# Altium PCB Beagle93.PCBDOC (part 1 of 7) (continued)
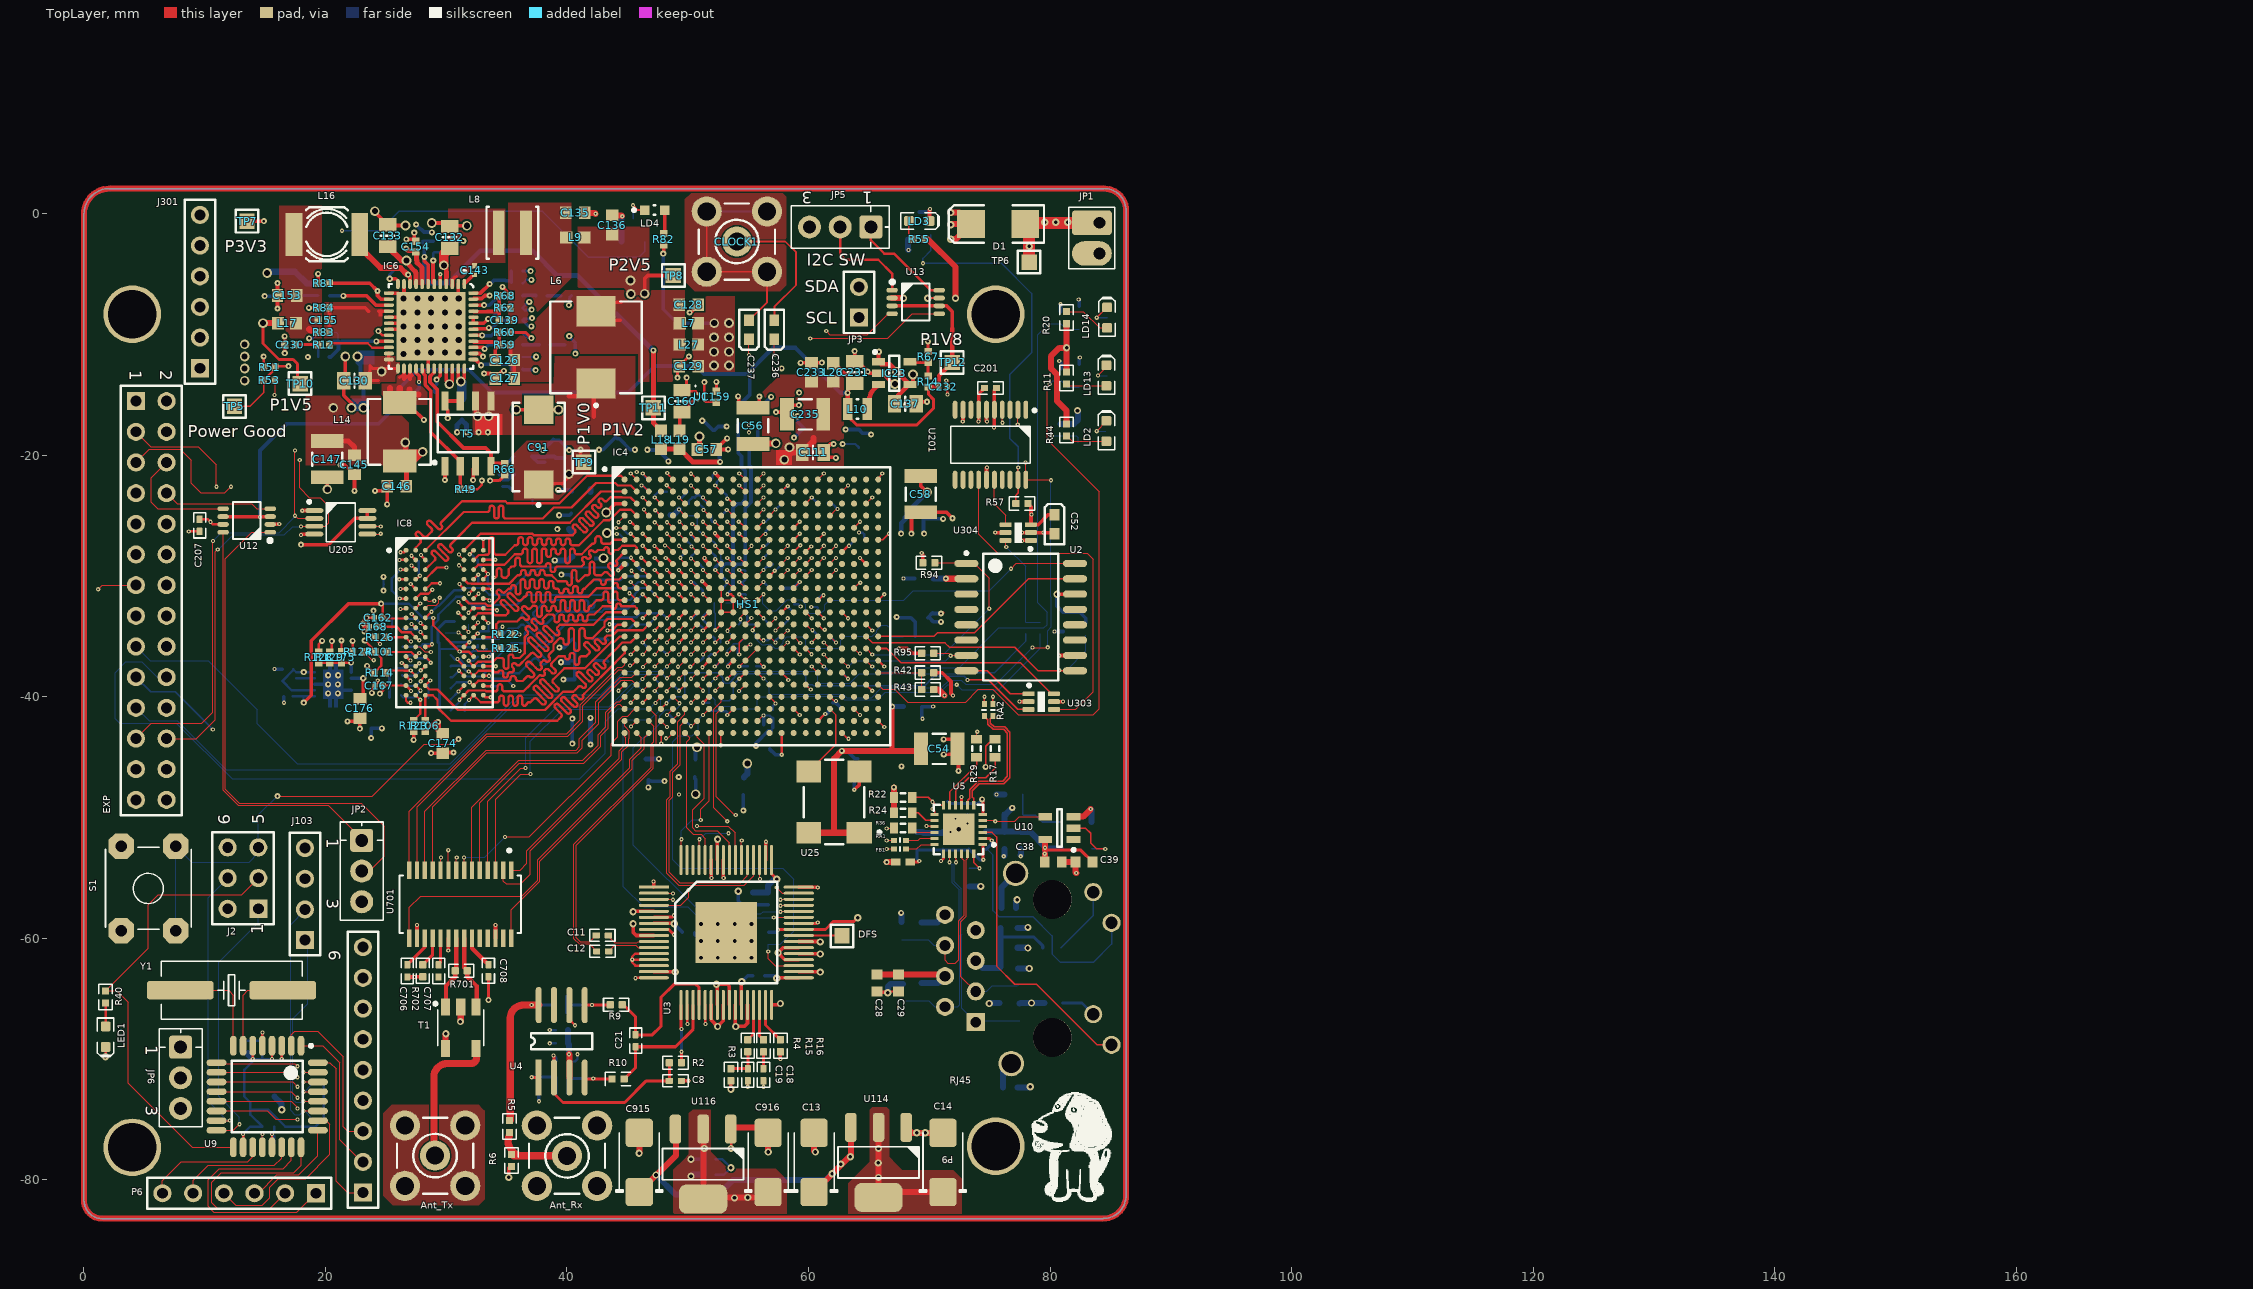
[diagram p0: TopLayer view]
## Classes and differential pairs (continued)
net class DDR_AddressAndControls: DDR3_A0 DDR3_A1 DDR3_A2 DDR3_A3 DDR3_A4 DDR3_A5 DDR3_A6 DDR3_A7 DDR3_A8 DDR3_A9 DDR3_A10 DDR3_A11 DDR3_A12 DDR3_A13 DDR3_A14 DDR3_BA0 DDR3_BA1 DDR3_BA2 DDR3_CAS_N DDR3_CK_N DDR3_CK_P DDR3_CKE DDR3_ODT DDR3_RAS_N DDR3_WE_N
net class DDR_BL0: DDR3_DQ0 DDR3_DQ1 DDR3_DQ2 DDR3_DQ3 DDR3_DQ4 DDR3_DQ5 DDR3_DQ6 DDR3_DQ7 DDR3_DQ8 DDR3_DQ9 DDR3_DQ10 DDR3_DQ11 DDR3_DQ12 DDR3_DQ13 DDR3_DQ14 DDR3_DQ15 DDR3_LDM DDR3_LDQS_N DDR3_LDQS_P DDR3_UDM DDR3_UDQS_N DDR3_UDQS_P
differential pair class Diff_100Ohm: CK_FPGAIO CK_GTP CK_GTP_125 CKC_GTP_125 CKI_FPGAIO CKI_GTP CKIN0 CKIN2 CKOUT_1 CKOUT_D_1 CKOUT_D_2 CLK_EEM_EXT CLK_EEM_EXT_C CLK_EEM_INT CLK_EXT CLK_SMA_IN CLKREC DDR3_CK DDR3_LDQS DDR3_UDQS EEM_CLK_OUT7 EXT0.LVDS_0 EXT0.LVDS_1 EXT0.LVDS_2 EXT0.LVDS_3 EXT0.LVDS_4 EXT0.LVDS_5 EXT0.LVDS_6 EXT0.LVDS_7 EXT1.LVDS_0 EXT1.LVDS_7 EXT2.LVDS_0 EXT2.LVDS_2 EXT2.LVDS_3 EXT2.LVDS_4 EXT2.LVDS_5 EXT2.LVDS_6 EXT2.LVDS_7 EXT3.LVDS_0 EXT3.LVDS_2 EXT3.LVDS_3 EXT3.LVDS_4 EXT3.LVDS_5 EXT3.LVDS_6 EXT3.LVDS_7 EXT4.LVDS_0 EXT4.LVDS_2 EXT4.LVDS_3 EXT4.LVDS_4 EXT4.LVDS_5 EXT4.LVDS_6 EXT4.LVDS_7 EXT5.LVDS_0 EXT5.LVDS_2 EXT5.LVDS_3 EXT5.LVDS_4 EXT5.LVDS_5 EXT5.LVDS_6 EXT5.LVDS_7 EXT6.LVDS_0 EXT6.LVDS_2 EXT6.LVDS_3 EXT6.LVDS_4 EXT6.LVDS_5 EXT6.LVDS_6 EXT6.LVDS_7 EXT7.LVDS_0 EXT7.LVDS_2 EXT7.LVDS_3 EXT7.LVDS_4 EXT7.LVDS_5 EXT7.LVDS_6 EXT7.LVDS_7 EXT8.LVDS_0 EXT8.LVDS_2 EXT8.LVDS_3 EXT8.LVDS_4 EXT8.LVDS_5 EXT8.LVDS_6 EXT8.LVDS_7 EXT9.LVDS_0 EXT9.LVDS_2 EXT9.LVDS_3 EXT9.LVDS_4 EXT9.LVDS_5 EXT9.LVDS_6 EXT9.LVDS_7 EXT10.LVDS_0 EXT10.LVDS_2 EXT10.LVDS_3 EXT10.LVDS_4 EXT10.LVDS_5 EXT10.LVDS_6 EXT10.LVDS_7 EXT11.LVDS_0 EXT11.LVDS_1 EXT11.LVDS_2 EXT11.LVDS_3 EXT11.LVDS_4 EXT11.LVDS_5 EXT11.LVDS_6 EXT11.LVDS_7 MGT_RX3 MGT_TX3 SFP_RX_TX_0.RD SFP_RX_TX_0.TD SFP_RX_TX_1.RD SFP_RX_TX_1.TD SFP_RX_TX_2.RD SFP_RX_TX_2.TD
net class Diff_100Ohm: CKC_GTP_125_N CKC_GTP_125_P
differential pair ADCCLK: +ADCCLK_P -ADCCLK_N
differential pair ADC_CLK: +ADC_CLK_P -ADC_CLK_N
differential pair TX: +TX_P -TX_N
differential pair RX: +RX_P -RX_N
differential pair RA2: +RA2_P -RA2_N
differential pair RA1: +RA1_P -RA1_N
differential pair ENET_TXD: +ENET_TXD_P -ENET_TXD_N
differential pair ENET_RXD: +ENET_RXD_P -ENET_RXD_N
differential pair FPGA_PCLK: +FPGA_PCLK_P -FPGA_PCLK_P
differential pair FPGA_NPCLK: +FPGA_NPCLK_N -FPGA_NPCLK_N
differential pair DDR3_UDQS: +DDR3_UDQS_P -DDR3_UDQS_N
differential pair DDR3_LDQS: +DDR3_LDQS_P -DDR3_LDQS_N
differential pair DDR3_CK: +DDR3_CK_P -DDR3_CK_N
differential pair CKC_GTP_125: +CKC_GTP_125_P -CKC_GTP_125_N

## Components (designator, comment, footprint, x,y, rotation, side; value= is the part's Value field where it differs from the comment)
Ant_Rx "SMB" SMB_V-RJ45 40,-78 r0 top
Ant_Tx "SMB" SMB_V-RJ45 29.072,-77.985 r270 top
C1 "0.1uF" CAPC1005X55N#1 56.655,-56.704 r90 bottom
C2 "0.1uF" CAPC1005X55N#1 55.385,-56.704 r90 bottom
C3 "0.1uF" CAPC1005X55N#1 51.772,-79.585 r180 bottom
C4 "0.1uF" CAPC1005X55N#1 51.821,-78.294 r180 bottom
C5 "0.1uF" CAPC1005X55N#1 50.051,-59.498 r180 bottom
C6 "0.1uF" CAPC1005X55N#1 55.872,-63.085 r0 bottom
C7 "0.1uF" CAPC1005X55N#2 39.572,-68.685 r0 bottom
C8 "0.1uF" CAPC1005X55N#2 48.972,-71.785 r180 top
C9 "Cap Semi" 1608[0603] 73.272,-51.885 r270 bottom
C10 "Cap Semi" 1608[0603] 71.133,-51.878 r270 bottom
C11 "0.01uF" CAPC1005X55N#1 42.926,-59.741 r180 top
C12 "0.01uF" CAPC1005X55N#2 42.951,-61.062 r0 top
C13 "approved sub OK" CAPMP6032X280N 60.465,-78.548 r90 top
C14 "approved sub OK" CAPMP6032X280N 71.133,-78.548 r90 top
C15 "2pF" CAPC1005X55N#2 39.472,-66.185 r180 bottom
C16 "2pF" CAPC1005X55N#2 39.572,-72.885 r180 bottom
C17 "1uF" CAPC1005X55N#2 39.572,-67.585 r0 bottom
C18 "1uF" CAPC1005X55N#2 56.272,-71.285 r90 top
C19 "1uF" CAPC1005X55N#2 54.972,-71.285 r90 top
C20 "1uF" CAPC1005X55N#2 39.572,-70.185 r180 bottom
C21 "56pF" CAPC1005X55N#2 45.682,-68.464 r270 top
C22 "Cap Pol3" CAPC1005X55N#2 73.165,-49.338 r270 bottom
C23 "Cap Semi" 1608[0603] 77.61,-51.878 r90 bottom
C24 "Cap Semi" 1608[0603] 77.483,-66.102 r270 bottom
C25 "Cap Semi" 1608[0603] 67.831,-64.451 r270 bottom
C26 "Cap Semi" 1608[0603] 77.356,-63.181 r270 bottom
C27 "Cap Semi" 1608[0603] 69.355,-59.371 r270 bottom
C28 "Cap Semi" 1608[0603] 65.672,-63.689 r90 top
C29 "Cap Semi" 1608[0603] 67.45,-63.689 r90 top
C30 "Cap Semi" 1608[0603] 76.594,-60.768 r180 bottom
C31 "Cap Semi" 1608[0603] 76.594,-59.117 r180 bottom
C32 "0.1µ" CAPC1005X55N#2 14.772,-68.985 r90 bottom
C33 "0.1µ" CAPC1005X55N#2 13.572,-68.985 r90 bottom
C34 "CAPT_4u7_3216_16V" CAPMP3216X180N 14.372,-73.085 r0 bottom locked
C35 "Cap Semi" 1608[0603] 71.514,-49.338 r90 bottom
C36 "Cap Pol3" 1608[0603] 68.972,-51.885 r90 bottom
C37 "Cap Semi" 1608[0603] 76.213,-51.878 r90 bottom
C38 "Cap Semi" 1608[0603] 80.277,-53.656 r180 top
C39 "Cap Semi" 1608[0603] 82.817,-53.656 r0 top
C49 "0.1µ" CAPC1005X55N#1 15.272,-75.585 r0 bottom
C50 "22uF" CAPC1709X100N 55.025,-18.925 r180 bottom
C51 "100nF" CAPC0603X33N 53.3,-30.975 r180 bottom
C52 "100nF" "0603 Polar Cap" 80.372,-25.685 r90 top
C53 "0.1µ" CAPC1005X55N#1 15.272,-76.985 r0 bottom
C54 "47uF" CAPC3225X270N 70.825,-44.3 r180 top
C55 "470nF" CAPC0603X33N 57.275,-31 r180 bottom
C56 "100uF" CAPC3225X270N 55.4,-17.55 r270 top
C57 "22uF" CAPC1709X100N 51.575,-19.5 r180 top
C58 "100uF" CAPC3225X270N 69.3,-23.2 r90 top
C59 "4.7uF" CAPC2012X135N 54.65,-47.55 r90 bottom
C60 "22uF" CAPC1709X100N 41.15,-24.8 r0 bottom
C61 "470nF" CAPC0603X33N 57.8,-23.5 r90 bottom
C62 "470nF" CAPC0603X33N 51.772,-40.785 r270 bottom
C63 "470nF" CAPC0603X33N 57.025,-41.425 r90 bottom
C64 "470nF" CAPC0603X33N 44.7,-26.525 r90 bottom
C65 "470nF" CAPC0603X33N 55.325,-37.45 r0 bottom
C66 "4.7uF" CAPC2012X135N 63.85,-45.875 r90 bottom
C67 "4.7uF" CAPC2012X135N 69.25,-33.425 r180 bottom
C68 "470nF" CAPC0603X33N 61.225,-23.95 r0 bottom
C69 "470nF" CAPC0603X33N 57.375,-29.025 r0 bottom
C70 "470nF" CAPC0603X33N 60.75,-32.25 r90 bottom
C71 "4.7uF" CAPC2012X135N 64.15,-18.55 r270 bottom
C72 "4.7uF" CAPC2012X135N 46.65,-45.8 r90 bottom
C73 "470nF" CAPC0603X33N 56.775,-25.525 r270 bottom
C74 "470nF" CAPC0603X33N 49.325,-41.975 r0 bottom
C75 "470nF" CAPC0603X33N 62.275,-37.975 r0 bottom
C76 "4.7uF" CAPC2012X135N 68.628,-40.798 r180 bottom
C77 "4.7uF" CAPC2012X135N 68.775,-25.25 r180 bottom
C78 "470nF" CAPC0603X33N 61.275,-34.95 r0 bottom
C79 "470nF" CAPC0603X33N 58.825,-32.675 r270 bottom
C80 "470nF" CAPC0603X33N 62.278,-40.976 r180 bottom
C81 "4.7uF" CAPC2012X135N 41.196,-23.018 r0 bottom
C82 "4.7uF" CAPC2012X135N 41.196,-28.352 r0 bottom
C83 "470nF" CAPC0603X33N 50.275,-28.025 r180 bottom
C84 "470nF" CAPC0603X33N 44.15,-34.275 r270 bottom
C85 "470nF" CAPC0603X33N 45.35,-29.025 r0 bottom
C86 "4.7uF" CAPC2012X135N 41.196,-42.83 r0 bottom
C87 "4.7uF" CAPC2012X135N 56.9,-43.7 r270 bottom
C88 "470nF" CAPC0603X33N 47.275,-35.975 r0 bottom
C89 "470nF" CAPC0603X33N 64.26,-27.01 r180 bottom
C90 "470nF" CAPC0603X33N 48.275,-38.975 r0 bottom
C91 "330uF" CAPMP7343X190N 37.65,-19.3 r90 top
C92 "4.7uF" CAPC2012X135N 41.196,-36.988 r0 bottom
C93 "4.7uF" CAPC2012X135N 41.4,-30.3 r0 bottom
C94 "4.7uF" CAPC2012X135N 41.4,-38.8 r0 bottom
C95 "470nF" CAPC0603X33N 51.325,-29 r0 bottom
C96 "4.7uF" CAPC2012X135N 50.272,-46.085 r90 bottom
C97 "470nF" CAPC0603X33N 51.3,-24 r0 bottom
C98 "470nF" CAPC0603X33N 54.404,-35.972 r0 bottom
C99 "470nF" CAPC0603X33N 54.575,-34 r0 bottom
C100 "470nF" CAPC0603X33N 52.3,-26.975 r0 bottom
C101 "22uF" CAPC1709X100N 52.2,-18.725 r270 bottom
C102 "470nF" CAPC0603X33N 51.325,-30.975 r0 bottom
C103 "470nF" CAPC0603X33N 52.35,-35.007 r0 bottom
C104 "470nF" CAPC0603X33N 52.301,-27.996 r0 bottom
C105 "470nF" CAPC0603X33N 51.25,-32.982 r0 bottom
C106 "470nF" CAPC0603X33N 51.3,-34 r0 bottom
C107 "470nF" CAPC0603X33N 53.275,-37 r0 bottom
C108 "470nF" CAPC0603X33N 51.4,-37 r0 bottom
C109 "4.7uF" CAPC2012X135N 44.066,-19.614 r270 bottom
C110 "4.7uF" CAPC2012X135N 41.196,-35.21 r0 bottom
C111 "4.7uF" CAPC2012X135N 60.375,-19.75 r180 top
C112 "100nF" CAPC0603X33N 52.275,-21.975 r0 bottom
C113 "100nF" CAPC0603X33N 47.275,-21.9 r0 bottom
C114 "100nF" CAPC0603X33N 53.275,-23 r0 bottom
C115 "100nF" CAPC0603X33N 47.225,-23 r0 bottom
C116 "100nF" CAPC0603X33N 50.34,-23.018 r0 bottom
C117 "470nF" CAPC0603X33N 56.75,-27.55 r270 bottom
C118 "470nF" CAPC0603X33N 57.272,-34.985 r180 bottom
C119 "470nF" CAPC0603X33N 57.272,-33.985 r180 bottom
C120 "100nF" CAPC0603X33N 54.3,-32.05 r0 bottom
C121 "470nF" CAPC0603X33N 54.775,-29.825 r90 bottom
C122 "100nF" CAPC0603X33N 54.8,-31.2 r270 bottom
C123 "100nF" CAPC0603X33N 50.3,-27 r0 bottom
C124 "100nF" CAPC0603X33N 52.3,-25 r0 bottom
C125 "100nF" CAPC0603X33N 48.222,-24.935 r0 bottom
C126 "56pF" CAPC1608X87N 34.846,-12.096 r0 top
C127 "22uF" CAPC1709X100N 34.846,-13.62 r0 top
C128 "22uF" CAPC1709X100N 50.086,-7.524 r180 top
C129 "22uF" CAPC1709X100N 50.086,-12.604 r0 top
C130 "10uF" CAPC2012X95N 22.4,-13.8 r0 top
C131 "10uF" CAPC2012X95N 31.29,-16.16 r90 bottom
C132 "10uF" CAPC2012X95N 30.274,-1.936 r270 top
C133 "10uF" CAPC2012X95N 25.15,-1.8 r270 top
C134 "100nF" CAPC0603X33N 29.05,-15.125 r90 bottom
C135 "22uF" CAPC1709X100N 40.688,0.096 r180 top
C136 "22uF" CAPC1709X100N 43.736,-0.92 r270 top
C137 "10uF" CAPC2012X95N 68.016,-15.725 r180 top
C138 "1nF" CAPC1005X55N#3 40.238,-10.826 r180 bottom
C139 "68pF" CAPC1005X55N#3 34.846,-8.794 r0 top
C140 "100nF" CAPC0603X33N 27.48,-15.144 r90 bottom
C141 "22uF" CAPC1709X100N 39.075,-19.4 r270 bottom
C142 "1nF" CAPC1005X55N#3 39.926,-6.762 r180 bottom
C143 "100nF" CAPC0603X33N 32.35,-4.65 r270 top
C145 "22uF" CAPC1709X100N 22.4,-20.775 r90 top
C146 "22uF" CAPC1709X100N 25.9,-22.55 r0 top
C147 "47uF" CAPC3225X270N 20.15,-20.3 r90 top
C148 "22uF" CAPC1709X100N 48.325,-19.55 r0 bottom
C149 "22uF" CAPC1709X100N 58.8,-17.725 r180 bottom
C150 "150pF" CAPC1005X55N#3 19.86,-10.826 r180 bottom
C151 "100nF" CAPC0603X33N 25.875,-4.675 r180 bottom
C152 "1.2nF" CAPC1608X87N 16.812,-6.762 r0 bottom
C153 "22uF" CAPC1709X100N 16.825,-6.75 r0 top
C154 "1uF" CAPC1005X55N#3 27.48,-2.698 r270 top
C155 "68pF" CAPC1005X55N#3 19.86,-8.794 r180 top
C156 "1uF" CAPC1005X55N#3 35.862,-7.778 r180 bottom
C157 "1uF" CAPC1005X55N#3 35.862,-8.794 r180 bottom
C158 "1uF" CAPC1005X55N#3 28,-1.85 r270 bottom
C159 "1uF" CAPC1005X55N#3 52.372,-15.144 r270 top
C160 "4.7uF" CAPC2012X135N 49.525,-15.499 r270 top
C161 "100nF" "0603 Polar Cap" 69.572,-30.185 r0 bottom
C162 "100nF" CAPC0603X33N 24.375,-33.425 r0 top
C163 "100nF" CAPC0603X33N 33.7,-36.025 r180 bottom
C164 "100nF" CAPC0603X33N 28.089,-28.771 r180 bottom
C165 "100nF" CAPC0603X33N 32.975,-30.475 r0 bottom
C166 "100nF" CAPC0603X33N 32.875,-28.6 r180 bottom
C167 "100nF" CAPC0603X33N 24.45,-39.05 r0 top
C168 "100nF" CAPC0603X33N 23.975,-34.175 r0 top
C169 "100nF" CAPC0603X33N 25.15,-30.65 r0 bottom
C170 "100nF" CAPC0603X33N 33.875,-34.55 r180 bottom
C171 "100nF" CAPC0603X33N 34.3,-38.825 r270 bottom
C172 "1uF" CAPC1005X55N#3 16.875,-37.7 r0 bottom
C173 "22uF" CAPC1709X100N 23.775,-41.8 r90 bottom
C174 "22uF" CAPC1709X100N 29.7,-43.85 r90 top
C175 "10nF" CAPC1005X55N#3 21.325,-36.7 r270 top
C176 "22uF" CAPC1709X100N 22.85,-40.95 r90 top
C177 "100nF" CAPC0603X33N 16.9,-40 r0 bottom
C201 "0.1µ" CAPC1005X55N#1 75.07,-14.413 r180 top
C207 "0.1µ" CAPC1005X55N#1 9.572,-25.785 r90 top
C229 "100nF" "0603 Polar Cap" 81.072,-33.785 r90 bottom
C230 "2.2nF" CAPC1005X55N#3 17.066,-10.826 r0 top
C231 "10uF" CAPC2012X95N 63.827,-13.112 r270 top
C232 "100nF" CAPC0603X33N 71.15,-14.3 r180 top
C233 "22uF" CAPC1709X100N 60.246,-13.112 r270 top
C235 "47uF" CAPC3225X270N 59.725,-16.6 r0 top
C236 "100nF" "0603 Polar Cap" 57.172,-9.585 r270 top
C237 "100nF" "0603 Polar Cap" 55.072,-9.585 r270 top
C240 "22uF" CAPC1709X100N 41.15,-26.3 r0 bottom
C706 "0.1uF" CAPC1005X55N#1 26.772,-62.685 r90 top
C707 "0.1uF" CAPC1005X55N#1 29.372,-62.685 r90 top
C708 "0.1uF" CAPC1005X55N#1 33.495,-62.67 r90 top
C915 "approved sub OK" CAPMP6032X280N 45.987,-78.548 r90 top
C916 "approved sub OK" CAPMP6032X280N 56.655,-78.548 r90 top
CLOCK1 "SMB" SMB_V-RJ45 54.072,-2.285 r0 top
D1 "SMBJ12A" SMB 75.705,-0.824 r180 top
DFS "P2V5" TPS127 62.772,-59.785 r90 top (schematic designator TP20)
EXP "Header 14X2" HDR2X14 4.3,-15.5 r270 top locked
FB1 "BLM18PG121SN1D" BLM18PG121SN1D 67.831,-53.656 r0 top
FB8 "BLM15HG601SN1D" BLM18PG121SN1D 76.721,-72.325 r180 bottom
FB9 "BLM15HG601SN1D" BLM18PG121SN1D 76.594,-57.466 r180 bottom
FR1 "Ferrite" C0603 51.829,-81.215 r180 bottom
HS1 "Heat Sink No Pad" "ICK BGA 23 x 23 x 10" 55,-32.3 r90 top
IC4 "XC7A50T-2FGG484C" FGG484 55.272,-32.485 r0 top locked
IC6 "ADP5052ACPZ" QFN50P700X700X80-49N-S570 28.75,-9.302 r270 top
IC8 "MT41K256M16TW-107:P" BGA96C80P9X16_800X1400X120 29.867,-33.851 r0 top locked
IC9 "TPS51200DRCT" "TEXAS_DRC (S-PVSON-N10)" 20.625,-38.95 r180 bottom
IC23 "TLV62565DBVT" SOT95P280X145-5N 67.098,-13.182 r0 top
J2 "Header 3X2" HDR2X3 14.44,-57.54 r90 top locked
J103 "C D V G" HDR1X4 18.301,-60.133 r90 top
J301 "V G C O I S" HDR1X6 9.6,-12.78 r90 top
JP1 "Header" HDR_1x2_Offset 84.1,-2 r0 top
JP2 "R T G" 1x3POS_HEADER 23,-54.418 r0 top
JP3 "" HDR1X2 64.172,-8.585 r90 top
JP5 "R T G" 1x3POS_HEADER 62.624,-1.078 r270 top
JP6 "R T G" 1x3POS_HEADER 8,-71.54 r0 top
L4 "120R@100MHz" INDC1608X65N 54.125,-16.75 r270 bottom
L5 "120R@100MHz" INDC1608X65N 55.925,-16.75 r270 bottom
L6 "DR74-4R7-R" COBU-DR74-4R7-R_V 42.4,-11.05 r90 top
L7 "120R@100MHz" INDC1608X65N 50.086,-9.048 r0 top
L8 "6.8uH" IND_COILCRAFT_XAL4030 35.481,-1.555 r0 top
L9 "120R@100MHz" INDC1608X65N 40.688,-1.936 r0 top
L10 "2.2uH" IND_WURTH_WE-PMCI_0806LR 64.056,-16.16 r180 top
L11 "120R@100MHz" INDC1608X65N 36.35,-21.55 r0 bottom
L12 "120R@100MHz" INDC1608X65N 36.35,-20.075 r0 bottom
L13 "120R@100MHz" INDC1608X65N 55.15,-14.2 r0 bottom
L14 "3.3 uH" IHLP-2020BZ-11 26.15,-18.05 r270 top
L15 "120R@100MHz" INDC1608X65N 48.325,-18.05 r0 bottom
L16 "3.3uH" IND_WURTH_WE-PD3_S 20.114,-1.682 r180 top
L17 "120R@100MHz" INDC1608X65N 16.812,-9.048 r180 top
L18 "120R@100MHz" INDC1608X65N 47.8,-18.7 r270 top
L19 "120R@100MHz" INDC1608X65N 49.324,-18.7 r270 top
L26 "120R@100MHz" INDC1608X65N 62.049,-13.112 r270 top
L27 "120R@100MHz" INDC1608X65N 50.086,-10.826 r0 top
L28 "120R@100MHz" INDC1608X65N 36.35,-23.025 r0 bottom
LD2 "Color" LED-0603-GREEN 84.672,-17.985 r90 top
LD3 "Color" LED-0603-GREEN 69.172,-0.585 r0 top
LD4 "Color" LED_KINGBRIGHT_KPH-1608CGCK 47.257,0.319 r0 top
LD13 "Color" LED-0603-GREEN 84.672,-13.385 r90 top
LD14 "Color" LED-0603-GREEN 84.722,-8.585 r90 top
LED1 "Red" LED-0603-RED 1.791,-68.134 r270 top
P6 "" HDR1X6 19.2,-81.1 r180 top
P9 "D2       D10" HDR1X9 23.1,-81.04 r90 top locked
R1 "4.7K" RESC1005N#1 56.672,-59.985 r90 bottom
R2 "10" RESC1005N#2 48.972,-70.285 r180 top
R3 "2K" RESC1005N#2 53.572,-71.285 r90 top
R4 "1" RESC1005N#2 54.972,-68.885 r270 top
R5 "118" RESC1005N#2 35.23,-75.565 r270 top
R6 "65" RESC1005N#2 35.408,-78.384 r270 top
R7 "1.3K" RESC1005N#2 39.472,-64.785 r180 bottom
R8 "1.3K" RESC1005N#1 39.572,-71.485 r180 bottom
R9 "25" RESC1005N#1 44.072,-65.485 r180 top
R10 "25" RESC1005N#1 44.234,-71.639 r180 top
R11 "1k" RESC1005X40N#1 81.372,-13.585 r90 top
R12 "5k6" RESC1005X40N#2 19.86,-10.826 r0 top
R13 "147" RESC1005N#2 37.672,-72.385 r270 bottom
R14 "24k" RESC1005X40N#2 69.898,-13.874 r270 top
R15 "1" RESC1005N#1 56.272,-68.885 r270 top
R16 "56.2K" RESC1005N#1 57.672,-68.885 r270 top
R17 "Res3" J1-0603 75.451,-44.258 r90 top
R18 "Res3" J1-0603 75.832,-66.102 r90 bottom
R19 "2k2" RESC1005X40N#1 80.935,-13.323 r270 bottom
R20 "1k" RESC1005X40N#1 81.372,-8.585 r270 top
R21 "Res3" J1-0603 69.355,-64.451 r90 bottom
R22 "Res3" J1-0603 67.831,-48.322 r180 top
R23 "2k2" RESC1005X40N#1 80.872,-8.585 r270 bottom
R24 "Res3" J1-0603 67.831,-49.592 r0 top
R25 "Res3" J1-0603 75.832,-63.181 r90 bottom
R26 "Res3" J1-0603 74.689,-51.89 r270 bottom
R27 "Res3" J1-0603 73.322,-54.935 r90 bottom
R28 "Res3" J1-0603 67.704,-59.371 r90 bottom
R29 "Res3" J1-0603 73.927,-44.258 r90 top
R30 "Thick Film" RESC1005N#2 19.372,-73.485 r0 bottom
R31 "Thick Film" RESC1005N#2 19.372,-74.885 r0 bottom
R32 "Res3" J1-0603 80.277,-65.34 r0 bottom
R33 "Thick Film" RESC1005X40N#1 19.372,-72.085 r180 bottom
R34 "Res3" J1-0603 80.15,-60.768 r0 bottom
R35 "Res3" J1-0603 76.975,-49.719 r180 bottom
R36 "Res3" J1-0603 67.831,-50.862 r180 top
R37 "Res3" J1-0603 76.975,-48.068 r0 bottom
R40 "Thick Film" RESC1005X40N#1 1.791,-64.84 r270 top
R42 "1k" RESC1005X40N#1 69.872,-37.985 r0 top
R43 "1k" RESC1005X40N#1 69.872,-39.385 r180 top
R44 "1k" RESC1005X40N#1 81.372,-17.885 r90 top
R45 "2k2" RESC1005X40N#1 80.872,-17.885 r270 bottom
R46 "0" RESC1005X40N#2 52.772,-40.785 r90 bottom
R47 "0" RESC1005X40N#2 77.972,-34.285 r270 bottom
R48 "0" RESC1005X40N#2 79.172,-34.285 r270 bottom
R49 "22k" RESC1005X40N#2 31.6,-22.8 r0 top
R51 "10k" RESC1005X40N#2 15.364,-12.706 r180 top
R52 "1k" RESC1005X40N#2 68.374,-34.956 r180 bottom
R53 "0" RESC1005X40N#2 15.35,-13.775 r0 top
R54 "0" RESC1005X40N#2 54.325,-35.025 r0 bottom
R55 "1k" RESC1005X40N#2 69.172,-2.085 r0 top
R56 "0" RESC1005X40N#2 52.675,-32.2 r0 bottom
R57 "300" RESC1005X40N#1 77.672,-23.985 r0 top
R59 "7k5" RESC1005X40N#2 34.846,-10.826 r0 top
R60 "2k4" RESC1005X40N#2 34.846,-9.81 r180 top
R61 "4k7" RESC1005X40N#2 35.862,-11.842 r180 bottom
R62 "51k" RESC1005X40N#2 34.846,-7.778 r0 top
R63 "5k1" RESC1005X40N#2 38.148,-10.826 r180 bottom
R64 "910" RESC1005X40N#2 35.862,-10.826 r180 bottom
R65 "7k5" RESC1005X40N#2 35.95,-12.85 r180 bottom
R66 "22k" RESC1005X40N#2 34.85,-21.15 r270 top
R67 "12k" RESC1005X40N#2 69.898,-11.842 r270 top
R68 "24k" RESC1005X40N#2 34.846,-6.762 r180 top
R69 "240" RESC1005X40N#2 35.85,-5.625 r0 bottom
R70 "5k1" RESC1005X40N#2 37.9,-6.625 r180 bottom
R71 "910" RESC1005X40N#2 35.85,-6.6 r180 bottom
R72 "10k" RESC1005X40N#2 35.862,-4.73 r180 bottom
R75 "7k5" RESC1005X40N#2 19.86,-11.842 r180 bottom
R77 "30k" RESC1005X40N#2 19.86,-9.81 r0 bottom
R78 "7k5" RESC1005X40N#2 19.86,-5.746 r0 bottom
R79 "7k5" RESC1005X40N#2 19.86,-6.762 r0 bottom
R81 "5k1" RESC1005X40N#2 19.86,-5.746 r0 top
R82 "1k" RESC1005X40N#2 48.019,-2.094 r270 top
R83 "24k" RESC1005X40N#2 19.86,-9.81 r180 top
R84 "27k" RESC1005X40N#2 19.86,-7.778 r0 top
R85 "43k2" RESC1005X35N 35.862,-9.81 r180 bottom
R92 "51k" RESC1005X40N#2 29.004,-2.698 r90 bottom
R93 "36k" RESC1005X40N#2 30.02,-2.698 r270 bottom
R94 "2k2" RESC1005X40N#1 69.972,-28.885 r180 top
R95 "2k2" RESC1005X40N#1 69.872,-36.385 r180 top
R96 "2k2" RESC1005X40N#1 82.972,-34.385 r90 bottom
R99 "51" RESC1005X40N#2 25.925,-36.55 r180 bottom
R100 "51" RESC1005X40N#2 32.605,-36.189 r90 bottom
R101 "51" RESC1005X40N#2 24.55,-36.25 r180 top
R102 "51" RESC1005X40N#2 25.925,-35.625 r180 bottom
R103 "51" RESC1005X40N#2 25.975,-34.35 r180 bottom
R104 "51" RESC1005X40N#2 25.975,-33.425 r180 bottom
R105 "51" RESC1005X40N#2 29.9,-41.125 r180 bottom
R106 "51" RESC1005X40N#2 28.25,-42.4 r270 top
R107 "51" RESC1005X40N#2 29.9,-36.525 r180 bottom
R108 "51" RESC1005X40N#2 29.9,-40.225 r180 bottom
R109 "51" RESC1005X40N#2 29.9,-35.5 r180 bottom
R110 "51" RESC1005X40N#2 28.525,-40.55 r270 bottom
R111 "51" RESC1005X40N#2 31.525,-41.6 r270 bottom
R112 "51" RESC1005X40N#2 25.775,-40.025 r180 bottom
R113 "51" RESC1005X40N#2 29.9,-39.3 r180 bottom
R114 "51" RESC1005X40N#2 24.5,-38 r180 top
R115 "51" RESC1005X40N#2 29.9,-37.45 r180 bottom
R116 "51" RESC1005X40N#2 25.175,-37.45 r180 bottom
R117 "51" RESC1005X40N#2 25.775,-39.125 r180 bottom
R118 "51" RESC1005X40N#2 29.9,-38.375 r180 bottom
R119 "51" RESC1005X40N#2 25.775,-38.25 r180 bottom
R120 "51" RESC1005X40N#2 31.3,-33.9 r0 bottom
R121 "51" RESC1005X40N#2 29.925,-34.225 r270 bottom
R122 "5k1" RESC1005X40N#2 34.975,-34.825 r180 top
R123 "5k1" RESC1005X40N#2 27.3,-42.4 r90 top
R124 "240" RESC1005X40N#2 22.725,-36.25 r0 top
R125 "240" RESC1005X40N#2 34.975,-35.95 r180 top
R126 "5k1" RESC1005X40N#2 24.55,-35.05 r0 top
R127 "10k" RESC1005X40N#2 16.9,-38.675 r180 bottom
R128 "10k" RESC1005X40N#2 19.425,-36.725 r270 top
R129 "10k" RESC1005X40N#2 20.35,-36.725 r270 top
R191 "100" RESC1005X40N#1 50.052,-24.465 r270 bottom
R701 "50" RESC1005N#2 31.245,-62.67 r180 top
R702 "2k" RESC1005N#2 28.055,-62.67 r270 top
RA1 "EXB24V" "EXB24V - Res Array x2" 67.085,-52.578 r90 top
RA2 "EXB24V" "EXB24V - Res Array x2" 74.572,-40.585 r0 top
RJ45 "Pulse RJ45 Jack" J0006D21BNL 71.31,-58.04 r270 top locked
S1 "SW_THT_PB_5.0mm" TACT-SWITCH-TS1143 5.338,-55.848 r90 top
T1 "MABAES0060" MABAES0060 31.2,-67.4 r0 top
T2 "BSH103" SOT95P230X110-3N#1 83.572,-13.385 r180 bottom
T3 "BSH103" SOT95P230X110-3N#1 83.472,-17.985 r180 bottom
T4 "BSH103" SOT95P230X110-3N#2 69.172,-0.985 r90 bottom
T5 "FDS9926A" SOIC127P600X175-8N 31.798,-18.192 r90 top
T6 "BSH103" SOT23-3N 45.479,-1.332 r90 bottom
T12 "BSH103" SOT95P230X110-3N#1 83.572,-8.585 r180 bottom
TP5 "Power Good" TPS127 12.459,-15.937 r0 top
TP6 "P12V0" TPS127 78.272,-3.985 r0 top
TP7 "P3V3" TPS127 13.5,-0.6 r0 top
TP8 "P2V5" TPS127 48.8,-5.1 r0 top
TP9 "P1V0" TPS127 41.4,-20.55 r0 top
TP10 "P1V5" TPS127 17.9,-14.05 r90 top
TP11 "P1V2" TPS127 47.15,-16.05 r90 top
TP12 "P1V8" TPS127 71.9,-12.3 r90 top
U1 "LP3991TL-1.2/NOPB" YZR0004ABBA 51.102,-15.144 r0 top
U2 "S25FL128SAGMFIR01" SOIC127P1030-16L 77.572,-33.385 r0 top locked
U3 "Comment" HQFP64 53.195,-59.502 r0 top locked
U4 "THS4501" SOIC8 37.656,-71.512 r90 top locked
U5 "LAN8720_QFN" LAN8720_QFN 72.435,-50.969 r180 top locked
U9 "ATmega328P-AUR" 32A_N 15.172,-73.085 r270 top locked
U10 "74LVC1G17" 74LVC1G17 80.785,-50.862 r180 top
U12 "TXS0102" TSSOP65P400X110-8N 13.472,-25.385 r180 top
U13 "TXS0102" TSSOP65P400X110-8N 68.872,-7.285 r0 top
U25 "125 MHz" CSX750FB 62.116,-48.703 r90 top locked
U114 "ZLDO1117 3.3V" SOT223 65.799,-78.548 r180 top
U116 "ZLDO1117 3.3V" SOT223 51.272,-78.685 r180 top
U201 "PCF8574_TS" TSSOP65P640X120-20N 75.07,-19.112 r270 top locked
U205 "LTC6904" SOP65P490X109-8N 21.272,-25.535 r0 top
U303 "SN74AUP1T157" SOT363 79.272,-40.385 r0 top
U304 "SN74AUP1T157" SOT363 77.372,-26.385 r180 top
U701 "AD9764AR" TSSOP-28 31.154,-57.161 r270 top locked
X2 "ASFL1-50MHZ-L-T" ASFL1-50MHZ-L-T 80.912,-50.354 r0 bottom
Y1 "8.00MHz" CRYSTAL_HC49-US-SM 12.222,-64.285 r0 top

## Footprints (in the part's own frame and the unit in brackets; to place one, negate y for a bottom-side part, rotate by r counter-clockwise, add the part's x,y. Pads: shape width x height; smd on the part's side, far side on the other; paste and mask are expansions set on the pad)
1x3POS_HEADER [mil] "Connector Header, Single-row 3-position, 0.100\" pitch"
  rrect25% 75x75 hole 42 mask+1.97: 1(0,100)
  round 75 hole 42 mask+1.97: 2(0,0) 3(0,-100)
  silkscreen extent -70,-160 70,160, body extent -57,-150 57,150, height 335
32A_N [mm] "Thin QFP, 32-Leads, Body 7x7mm, Pitch 0.8mm, IPC Medium Density"
  oval 1.65x0.55 smd mask+0.05: 1(-4.2,2.8) 2(-4.2,2) 3(-4.2,1.2) 4(-4.2,0.4) 5(-4.2,-0.4) 6(-4.2,-1.2) 7(-4.2,-2) 8(-4.2,-2.8) 17(4.2,-2.8) 18(4.2,-2) 19(4.2,-1.2) 20(4.2,-0.4) 21(4.2,0.4) 22(4.2,1.2) 23(4.2,2) 24(4.2,2.8)
  oval 0.55x1.65 smd mask+0.05: 9(-2.8,-4.2) 10(-2,-4.2) 11(-1.2,-4.2) 12(-0.4,-4.2) 13(0.4,-4.2) 14(1.2,-4.2) 15(2,-4.2) 16(2.8,-4.2) 25(2.8,4.2) 26(2,4.2) 27(1.2,4.2) 28(0.4,4.2) 29(-0.4,4.2) 30(-1.2,4.2) 31(-2,4.2) 32(-2.8,4.2)
  silkscreen extent -4.32,-2.95 2.95,3.75, body extent -3.5,-3.5 3.5,3.5, height 1.2
74LVC1G17 [mm]
  rect 1.15x0.6 smd: 1(-1.175,0.95) 2(-1.175,0) 3(-1.175,-0.95) 4(1.175,-0.95) 5(1.175,0.95)
  silkscreen extent -1.3,-1.55 0.2,1.92, body extent -0.85,-1.55 0.85,1.55, height 1.1
"0603 Polar Cap" [mm]
  rect 0.96x0.8 smd: 1(-0.79,0) 2(0.79,0)
  silkscreen extent -1.67,-0.8 1.67,0.8
1608[0603] [mm] "Chip Capacitor, Body 1.6x0.8mm, IPC High Density"
  rect 0.8x0.9 smd: 1(-0.7,0) 2(0.7,0)
  body extent -0.87,-0.48 0.87,0.48, height 1.3
ASFL1-50MHZ-L-T [mm] "Abracon ASFL1-50MHZ-L-T 50MHZ Crystal Oscillator"
  rect 1.7x1.5 smd: 1(0,0) 2(2.54,0) 3(2.54,2.2) 4(0,2.2)
  silkscreen extent -1.25,-1.12 3.85,3.32
BGA96C80P9X16_800X1400X120 [mm] "BGA, 0.80mm Pitch, Rect.; 96 Pin, 9 Columns X 16 Rows, 8.00mm X 14.00mm X 1.20mm H"
  round 0.4 smd: A1(-3.2,6) A2(-2.4,6) A3(-1.6,6) A7(1.6,6) A8(2.4,6) A9(3.2,6) B1(-3.2,5.2) B2(-2.4,5.2) B3(-1.6,5.2) B7(1.6,5.2) B8(2.4,5.2) B9(3.2,5.2) C1(-3.2,4.4) C2(-2.4,4.4) C3(-1.6,4.4) C7(1.6,4.4) C8(2.4,4.4) C9(3.2,4.4) D1(-3.2,3.6) D2(-2.4,3.6) D3(-1.6,3.6) D7(1.6,3.6) D8(2.4,3.6) D9(3.2,3.6) E1(-3.2,2.8) E2(-2.4,2.8) E3(-1.6,2.8) E7(1.6,2.8) E8(2.4,2.8) E9(3.2,2.8) F1(-3.2,2) F2(-2.4,2) F3(-1.6,2) F7(1.6,2) F8(2.4,2) F9(3.2,2) G1(-3.2,1.2) G2(-2.4,1.2) G3(-1.6,1.2) G7(1.6,1.2) G8(2.4,1.2) G9(3.2,1.2) H1(-3.2,0.4) H2(-2.4,0.4) H3(-1.6,0.4) H7(1.6,0.4) H8(2.4,0.4) H9(3.2,0.4) J1(-3.2,-0.4) J2(-2.4,-0.4) J3(-1.6,-0.4) J7(1.6,-0.4) J8(2.4,-0.4) J9(3.2,-0.4) K1(-3.2,-1.2) K2(-2.4,-1.2) K3(-1.6,-1.2) K7(1.6,-1.2) K8(2.4,-1.2) K9(3.2,-1.2) L1(-3.2,-2) L2(-2.4,-2) L3(-1.6,-2) L7(1.6,-2) L8(2.4,-2) L9(3.2,-2) M1(-3.2,-2.8) M2(-2.4,-2.8) M3(-1.6,-2.8) M7(1.6,-2.8) M8(2.4,-2.8) M9(3.2,-2.8) N1(-3.2,-3.6) N2(-2.4,-3.6) N3(-1.6,-3.6) N7(1.6,-3.6) N8(2.4,-3.6) N9(3.2,-3.6) P1(-3.2,-4.4) P2(-2.4,-4.4) P3(-1.6,-4.4) P7(1.6,-4.4) P8(2.4,-4.4) P9(3.2,-4.4) R1(-3.2,-5.2) R2(-2.4,-5.2) R3(-1.6,-5.2) R7(1.6,-5.2) R8(2.4,-5.2) R9(3.2,-5.2) T1(-3.2,-6) T2(-2.4,-6) T3(-1.6,-6) T7(1.6,-6) T8(2.4,-6) T9(3.2,-6)
  silkscreen extent -4.72,-7 4,7, body extent -4.07,-7.07 4.08,7.08, height 1.2
BLM18PG121SN1D [mm] "Chip Inductor, 2-Leads, Body 1.0x0.5mm, IPC Medium Density"
  rect 0.8x0.6 smd: 1(-0.6,0) 2(0.6,0)
  body extent -0.52,-0.28 0.53,0.27, height 0.6
C0603 [mm] "0603 Generic"
  rect 0.8x0.85 smd mask+0.05: 1(-0.7,0) 2(0.7,0)
  silkscreen extent -0.1,-0.32 0.1,0.33, body extent -0.8,-0.42 0.82,0.4, height 0.46
CAPC0603X33N [mm] "Chip Capacitor, Body 0.6x0.30mm, IPC Medium Density"
  rect 0.45x0.4 smd: 1(-0.35,0) 2(0.35,0)
  body extent -0.31,-0.16 0.32,0.17, height 0.33
CAPC1005X55N#1 [mm] "Chip Capacitor, Body 1.0x0.5mm, EIA 0402, IPC Medium Density"
  round 0.2 on Mech15 mask+0.05: 0(0,0)
  rrect20% 0.6x0.5 smd mask+0.05: 1(-0.5,0) 2(0.5,0)
  TopLayer pour cut-out: -0.325,0.375 -0.2,0.5 0.2,0.5 0.325,0.375 0.325,-0.375 0.2,-0.5 -0.2,-0.5 -0.325,-0.375
  silkscreen extent -1.05,-0.5 1.05,0.5, body extent -0.52,-0.27 0.53,0.28, height 0.55
CAPC1005X55N#2 [mm] "Chip Capacitor, Body 1.0x0.5mm, EIA 0402, IPC Medium Density"
  round 0.2 on Mech15: 0(0,0)
  rrect20% 0.6x0.5 smd: 1(-0.5,0) 2(0.5,0)
  TopLayer pour cut-out: -0.325,0.375 -0.2,0.5 0.2,0.5 0.325,0.375 0.325,-0.375 0.2,-0.5 -0.2,-0.5 -0.325,-0.375
  silkscreen extent -1.05,-0.5 1.05,0.5, body extent -0.52,-0.27 0.53,0.28, height 0.55
CAPC1005X55N#3 [mm] "Chip Capacitor, Body 1.0x0.55mm, IPC Medium Density"
  rect 0.62x0.62 smd: 1(-0.45,0) 2(0.45,0)
  body extent -0.52,-0.27 0.53,0.28, height 0.55
CAPC1608X87N [mm] "Chip Capacitor, Body 1.6x0.8mm IPC Medium Density"
  rect 0.95x1 smd: 1(-0.8,0) 2(0.8,0)
  body extent -0.87,-0.47 0.88,0.48, height 0.87
CAPC1709X100N [mm] "Capacitor,non-Polarized, Chip;1.65mm L X 0.85mm W X 1.00mm H, IPC Medium Density"
  rect 0.95x1.05 smd: 1(-0.8,0) 2(0.8,0)
  body extent -0.9,-0.5 0.9,0.5, height 1
CAPC2012X95N [mm] "Chip Capacitor, Body 2.0x1.25mm, IPC Medium Density"
  rect 1.1x1.45 smd: 1(-0.9,0) 2(0.9,0)
  silkscreen extent 0,-0.58 0,0.58, body extent -1.05,-0.67 1.05,0.68, height 0.95
CAPC2012X135N [mm] "Chip Capacitor, Body 2.0x1.25mm, IPC Medium Density"
  rect 1.05x1.4 smd: 1(-0.9,0) 2(0.9,0)
  silkscreen extent 0,-0.58 0,0.58, body extent -1.05,-0.67 1.05,0.68, height 1.25
CAPC3225X270N [mm] "Chip Capacitor, Body 3.2x2.5mm, IPC Medium Density"
  rect 1.15x2.7 smd: 1(-1.5,0) 2(1.5,0)
  silkscreen extent -0.55,-1.25 0.55,1.25, body extent -1.7,-1.35 1.7,1.35, height 2.7
CAPMP3216X180N [mm] "Capacitor, polarized, Molded Body, EIA 535BAAC size A; 3.20mm L X 1.60mm W X 1.80mm H"
  round 0.508 on Mech15: 0(0,0)
  rrect25% 1.8x1.2 smd: 1(-1.3,0) 2(1.3,0)
  silkscreen extent -1.3,-1.2 1,1.2, body extent -1.6,-0.8 1.6,0.8, height 1.8
CAPMP6032X280N [mm] "Capacitor, polarized, Molded Body, EIA 535BAAC size C; 6.00mm L X 3.20mm W X 2.80mm H"
  round 0.508 on Mech15 mask+0.05: 0(0,0)
  rrect25% 2.35x2.25 smd mask+0.05: 1(-2.45,0) 2(2.45,0)
  silkscreen extent -2.45,-1.95 2.45,1.95, body extent -3,-1.6 3,1.6, height 2.8
CAPMP7343X190N [mm] "Capacitor, Polarized, Molded  Body 7.3x4.3mm, IPC Medium Density"
  rect 2.35x2.45 smd: 1(-3.1,0) 2(3.1,0)
  silkscreen extent -4.92,-2.15 3.65,2.15, body extent -3.8,-2.3 3.8,2.3, height 1.9
COBU-DR74-4R7-R_V [mm] "SMD, 2-Leads, Body 7.6x7.6mm"
  rect 2.5x3.25 smd: 1(-3,0) 2(3,0)
  silkscreen extent -4.92,-3.8 3.8,3.8, body extent -3.8,-3.8 3.8,3.8, height 4.35
CRYSTAL_HC49-US-SM [mm] "SMD Crystal HC49/US-SM package"
  round 0.508 on Mech14: 0(0,0)
  rrect25% 5.5x1.5 smd: 1(-4.25,0) 2(4.25,0)
  silkscreen extent -5.84,-2.41 5.84,2.41, body extent -6.4,-2.41 6.4,2.42, height 4.29
CSX750FB [mm] "CRYSTAL CLOCK OSCILLATORS; 4 Leads; Body 7 x 5 x 1.6 mm"
  rect 1.8x2.1 smd: 1(-2.54,-2.1)
  rect 1.8x2 smd: 2(2.54,-2.1) 3(2.54,2.1) 4(-2.54,2.1)
  silkscreen extent -3.5,-3.88 3.5,2.5, body extent -3.75,-2.5 3.5,2.5, height 1.6
"EXB24V - Res Array x2" [mm] "Panasonic Resistor Array"
  rect 0.4x0.5 smd: 1(0,0) 2(0,-1) 3(0.7,0) 4(0.7,-1)
  silkscreen extent -0.2,-0.5 0.9,-0.5